# Altium PCB PCB2.PcbDoc (part 9 of 16)
Units mil, origin at the board's own origin, x right, y up, seen from the top; angles counter-clockwise.
Board outline 9200.79 x 4350.6 mil, 4 copper layers (Top Layer, Layer 1, Layer 2, Bottom Layer), stack 23.756 mil thick; 1249 components, 1355 nets, 4549 pads, 1316 vias.
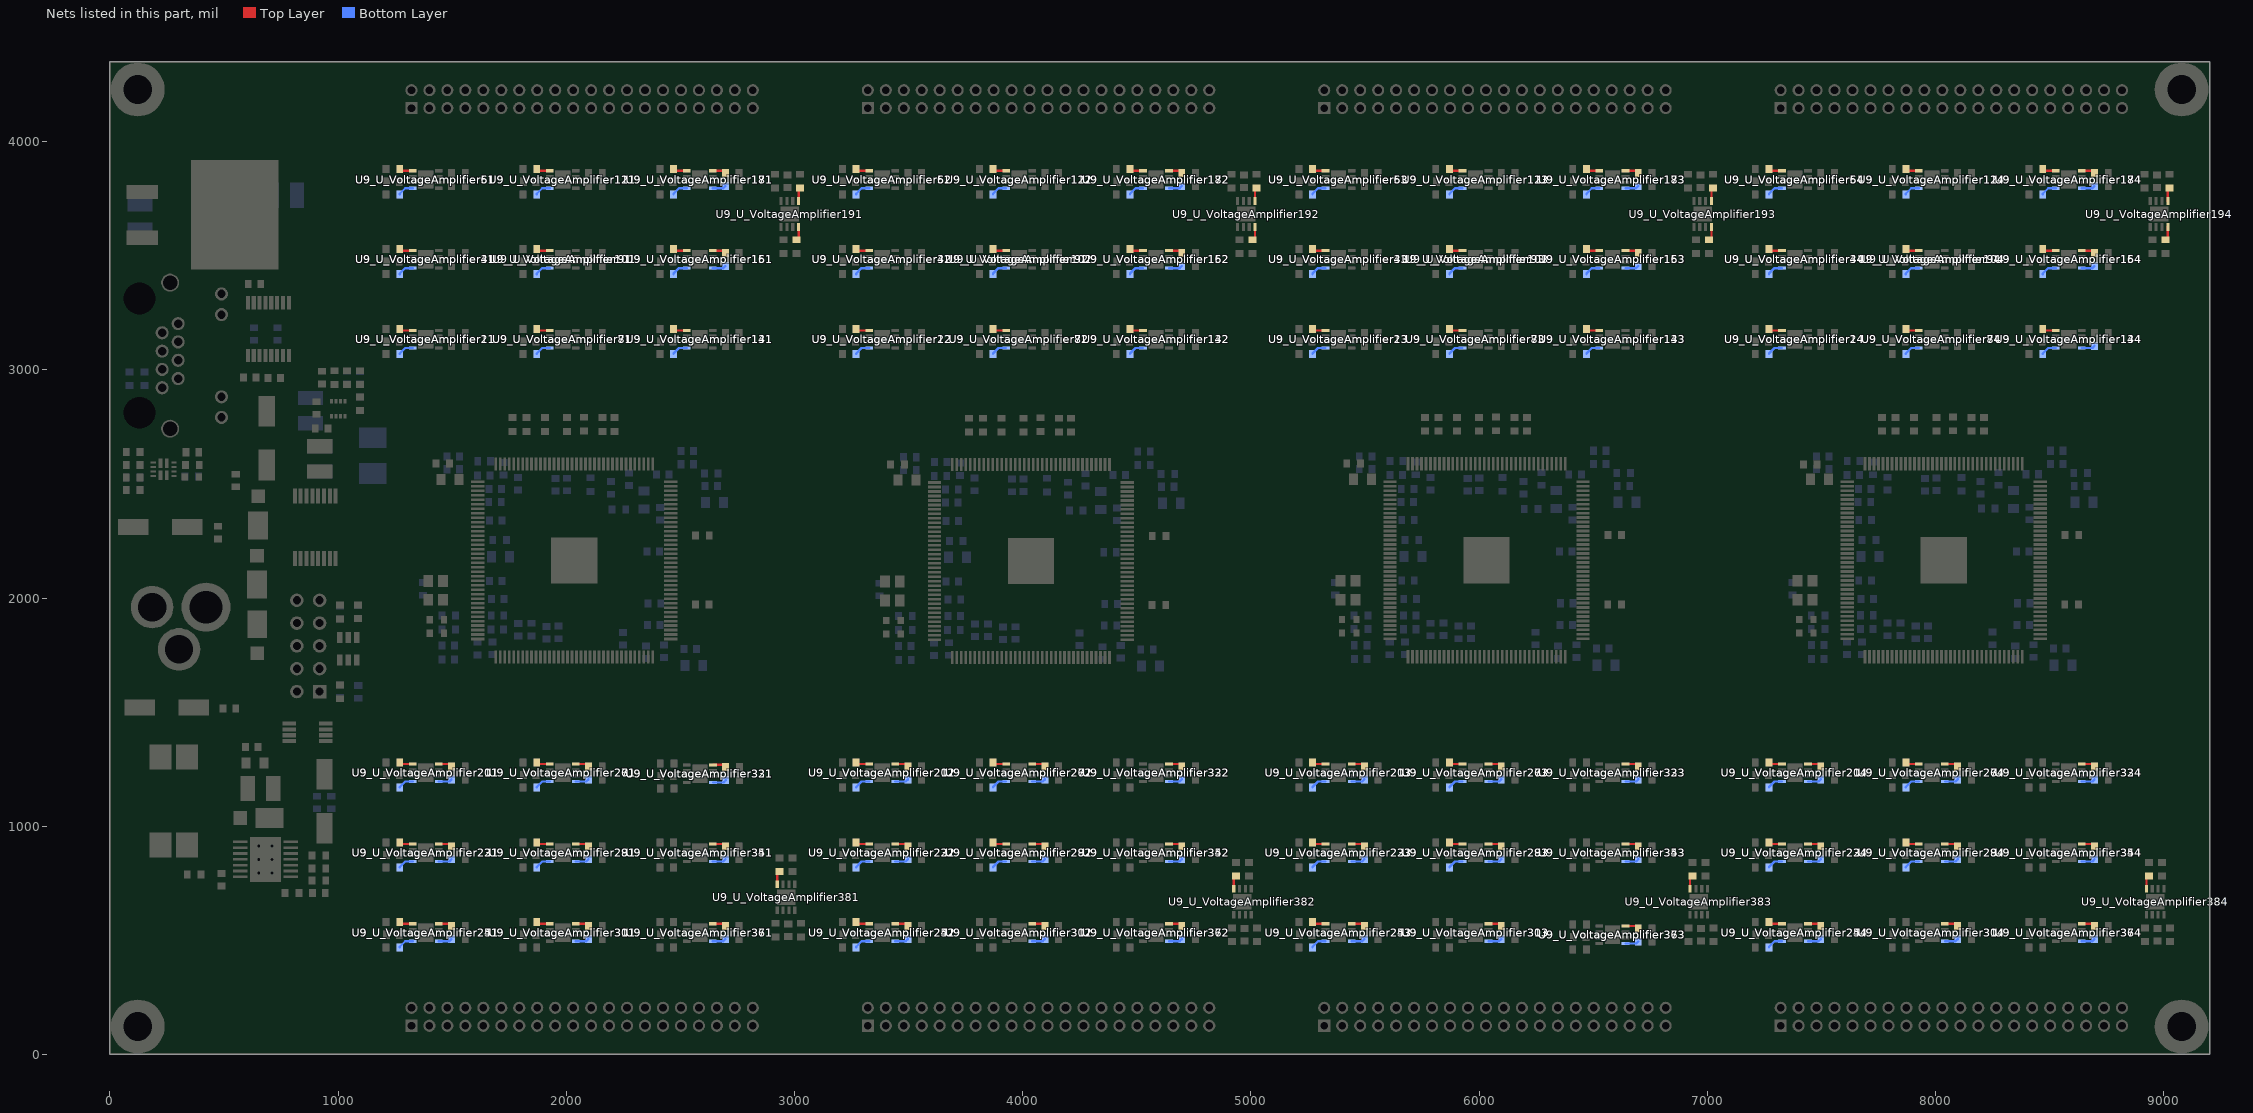
[diagram p11: the nets of this part, all layers, seen from the top]

## Via types
v1: diameter 24, hole 12, Top Layer to Bottom Layer, 1316 vias

## Nets (pads, with @x,y where several pads share a name; then routed paths per layer and width w, separated by ;. In a path a pad name is that pad's centre, name@x,y a point inside that pad or via, vN(x,y) a via of type N, cw(c..) or ccw(c..) an arc to the next point about the centre after c; other vN are vias at no path point) (continued)
NetR28_U_VoltageAmplifier144_2: R28_U_VoltageAmplifier144.2 U9_U_VoltageAmplifier144.4 | length 59.8
  Bottom Layer w10: U9_U_VoltageAmplifier144.4@8641.26,3095.59 8687.5,3095.59 R28_U_VoltageAmplifier144.2@8697.09,3105.18
NetR28_U_VoltageAmplifier151_2: R28_U_VoltageAmplifier151.2 U9_U_VoltageAmplifier151.4 | length 60.2
  Top Layer w10: U9_U_VoltageAmplifier151.4@2641.26,3522.36 2687.09,3522.36 2697.09,3512.36 R28_U_VoltageAmplifier151.2@2697.09,3512.18
NetR28_U_VoltageAmplifier152_2: R28_U_VoltageAmplifier152.2 U9_U_VoltageAmplifier152.4 | length 60.2
  Top Layer w10: U9_U_VoltageAmplifier152.4@4641.26,3522.36 4687.09,3522.36 4697.09,3512.36 R28_U_VoltageAmplifier152.2@4697.09,3512.18
NetR28_U_VoltageAmplifier153_2: R28_U_VoltageAmplifier153.2 U9_U_VoltageAmplifier153.4 | length 60.2
  Top Layer w10: U9_U_VoltageAmplifier153.4@6641.26,3522.36 6687.09,3522.36 6697.09,3512.36 R28_U_VoltageAmplifier153.2@6697.09,3512.18
NetR28_U_VoltageAmplifier154_2: R28_U_VoltageAmplifier154.2 U9_U_VoltageAmplifier154.4 | length 60.2
  Top Layer w10: U9_U_VoltageAmplifier154.4@8641.26,3522.36 8687.09,3522.36 8697.09,3512.36 R28_U_VoltageAmplifier154.2@8697.09,3512.18
NetR28_U_VoltageAmplifier161_2: R28_U_VoltageAmplifier161.2 U9_U_VoltageAmplifier161.4 | length 59.8
  Bottom Layer w10: U9_U_VoltageAmplifier161.4@2641.26,3445.59 2687.5,3445.59 R28_U_VoltageAmplifier161.2@2697.09,3455.18
NetR28_U_VoltageAmplifier162_2: R28_U_VoltageAmplifier162.2 U9_U_VoltageAmplifier162.4 | length 59.8
  Bottom Layer w10: U9_U_VoltageAmplifier162.4@4641.26,3445.59 4687.5,3445.59 R28_U_VoltageAmplifier162.2@4697.09,3455.18
NetR28_U_VoltageAmplifier163_2: R28_U_VoltageAmplifier163.2 U9_U_VoltageAmplifier163.4 | length 59.8
  Bottom Layer w10: U9_U_VoltageAmplifier163.4@6641.26,3445.59 6687.5,3445.59 R28_U_VoltageAmplifier163.2@6697.09,3455.18
NetR28_U_VoltageAmplifier164_2: R28_U_VoltageAmplifier164.2 U9_U_VoltageAmplifier164.4 | length 59.8
  Bottom Layer w10: U9_U_VoltageAmplifier164.4@8641.26,3445.59 8687.5,3445.59 R28_U_VoltageAmplifier164.2@8697.09,3455.18
NetR28_U_VoltageAmplifier171_2: R28_U_VoltageAmplifier171.2 U9_U_VoltageAmplifier171.4 | length 60.2
  Top Layer w10: U9_U_VoltageAmplifier171.4@2641.26,3872.36 2687.09,3872.36 2697.09,3862.36 R28_U_VoltageAmplifier171.2@2697.09,3862.18
NetR28_U_VoltageAmplifier172_2: R28_U_VoltageAmplifier172.2 U9_U_VoltageAmplifier172.4 | length 60.2
  Top Layer w10: U9_U_VoltageAmplifier172.4@4641.26,3872.36 4687.09,3872.36 4697.09,3862.36 R28_U_VoltageAmplifier172.2@4697.09,3862.18
NetR28_U_VoltageAmplifier173_2: R28_U_VoltageAmplifier173.2 U9_U_VoltageAmplifier173.4 | length 60.2
  Top Layer w10: U9_U_VoltageAmplifier173.4@6641.26,3872.36 6687.09,3872.36 6697.09,3862.36 R28_U_VoltageAmplifier173.2@6697.09,3862.18
NetR28_U_VoltageAmplifier174_2: R28_U_VoltageAmplifier174.2 U9_U_VoltageAmplifier174.4 | length 60.2
  Top Layer w10: U9_U_VoltageAmplifier174.4@8641.26,3872.36 8687.09,3872.36 8697.09,3862.36 R28_U_VoltageAmplifier174.2@8697.09,3862.18
NetR28_U_VoltageAmplifier181_2: R28_U_VoltageAmplifier181.2 U9_U_VoltageAmplifier181.4 | length 59.8
  Bottom Layer w10: U9_U_VoltageAmplifier181.4@2641.26,3795.59 2687.5,3795.59 R28_U_VoltageAmplifier181.2@2697.09,3805.18
NetR28_U_VoltageAmplifier182_2: R28_U_VoltageAmplifier182.2 U9_U_VoltageAmplifier182.4 | length 59.8
  Bottom Layer w10: U9_U_VoltageAmplifier182.4@4641.26,3795.59 4687.5,3795.59 R28_U_VoltageAmplifier182.2@4697.09,3805.18
NetR28_U_VoltageAmplifier183_2: R28_U_VoltageAmplifier183.2 U9_U_VoltageAmplifier183.4 | length 59.8
  Bottom Layer w10: U9_U_VoltageAmplifier183.4@6641.26,3795.59 6687.5,3795.59 R28_U_VoltageAmplifier183.2@6697.09,3805.18
NetR28_U_VoltageAmplifier184_2: R28_U_VoltageAmplifier184.2 U9_U_VoltageAmplifier184.4 | length 59.8
  Bottom Layer w10: U9_U_VoltageAmplifier184.4@8641.26,3795.59 8687.5,3795.59 R28_U_VoltageAmplifier184.2@8697.09,3805.18
NetR28_U_VoltageAmplifier191_2: R28_U_VoltageAmplifier191.2 U9_U_VoltageAmplifier191.4 | length 60.2
  Top Layer w10: R28_U_VoltageAmplifier191.2@3007.85,3569.76 3008.03,3569.76 3018.03,3579.76 U9_U_VoltageAmplifier191.4@3018.03,3625.59
NetR28_U_VoltageAmplifier192_2: R28_U_VoltageAmplifier192.2 U9_U_VoltageAmplifier192.4 | length 60.2
  Top Layer w10: R28_U_VoltageAmplifier192.2@5007.85,3569.76 5008.03,3569.76 5018.03,3579.76 U9_U_VoltageAmplifier192.4@5018.03,3625.59
NetR28_U_VoltageAmplifier193_2: R28_U_VoltageAmplifier193.2 U9_U_VoltageAmplifier193.4 | length 60.2
  Top Layer w10: R28_U_VoltageAmplifier193.2@7007.85,3569.76 7008.03,3569.76 7018.03,3579.76 U9_U_VoltageAmplifier193.4@7018.03,3625.59
NetR28_U_VoltageAmplifier194_2: R28_U_VoltageAmplifier194.2 U9_U_VoltageAmplifier194.4 | length 60.2
  Top Layer w10: R28_U_VoltageAmplifier194.2@9007.85,3569.76 9008.03,3569.76 9018.03,3579.76 U9_U_VoltageAmplifier194.4@9018.03,3625.59
NetR28_U_VoltageAmplifier201_2: R28_U_VoltageAmplifier201.2 U9_U_VoltageAmplifier201.4 | length 60.2
  Top Layer w10: U9_U_VoltageAmplifier201.4@1441.26,1272.36 1487.09,1272.36 1497.09,1262.36 R28_U_VoltageAmplifier201.2@1497.09,1262.18
NetR28_U_VoltageAmplifier202_2: R28_U_VoltageAmplifier202.2 U9_U_VoltageAmplifier202.4 | length 60.2
  Top Layer w10: U9_U_VoltageAmplifier202.4@3441.26,1272.36 3487.09,1272.36 3497.09,1262.36 R28_U_VoltageAmplifier202.2@3497.09,1262.18
NetR28_U_VoltageAmplifier203_2: R28_U_VoltageAmplifier203.2 U9_U_VoltageAmplifier203.4 | length 60.2
  Top Layer w10: U9_U_VoltageAmplifier203.4@5441.26,1272.36 5487.09,1272.36 5497.09,1262.36 R28_U_VoltageAmplifier203.2@5497.09,1262.18
NetR28_U_VoltageAmplifier204_2: R28_U_VoltageAmplifier204.2 U9_U_VoltageAmplifier204.4 | length 60.2
  Top Layer w10: U9_U_VoltageAmplifier204.4@7441.26,1272.36 7487.09,1272.36 7497.09,1262.36 R28_U_VoltageAmplifier204.2@7497.09,1262.18
NetR28_U_VoltageAmplifier211_2: R28_U_VoltageAmplifier211.2 U9_U_VoltageAmplifier211.4 | length 59.8
  Bottom Layer w10: U9_U_VoltageAmplifier211.4@1441.26,1195.59 1487.5,1195.59 R28_U_VoltageAmplifier211.2@1497.09,1205.18
NetR28_U_VoltageAmplifier212_2: R28_U_VoltageAmplifier212.2 U9_U_VoltageAmplifier212.4 | length 59.8
  Bottom Layer w10: U9_U_VoltageAmplifier212.4@3441.26,1195.59 3487.5,1195.59 R28_U_VoltageAmplifier212.2@3497.09,1205.18
NetR28_U_VoltageAmplifier213_2: R28_U_VoltageAmplifier213.2 U9_U_VoltageAmplifier213.4 | length 59.8
  Bottom Layer w10: U9_U_VoltageAmplifier213.4@5441.26,1195.59 5487.5,1195.59 R28_U_VoltageAmplifier213.2@5497.09,1205.18
NetR28_U_VoltageAmplifier214_2: R28_U_VoltageAmplifier214.2 U9_U_VoltageAmplifier214.4 | length 59.8
  Bottom Layer w10: U9_U_VoltageAmplifier214.4@7441.26,1195.59 7487.5,1195.59 R28_U_VoltageAmplifier214.2@7497.09,1205.18
NetR28_U_VoltageAmplifier221_2: R28_U_VoltageAmplifier221.2 U9_U_VoltageAmplifier221.4 | length 60.2
  Top Layer w10: U9_U_VoltageAmplifier221.4@1441.26,922.36 1487.09,922.36 1497.09,912.36 R28_U_VoltageAmplifier221.2@1497.09,912.18
NetR28_U_VoltageAmplifier222_2: R28_U_VoltageAmplifier222.2 U9_U_VoltageAmplifier222.4 | length 60.2
  Top Layer w10: U9_U_VoltageAmplifier222.4@3441.26,922.36 3487.09,922.36 3497.09,912.36 R28_U_VoltageAmplifier222.2@3497.09,912.18
NetR28_U_VoltageAmplifier223_2: R28_U_VoltageAmplifier223.2 U9_U_VoltageAmplifier223.4 | length 60.2
  Top Layer w10: U9_U_VoltageAmplifier223.4@5441.26,922.36 5487.09,922.36 5497.09,912.36 R28_U_VoltageAmplifier223.2@5497.09,912.18
NetR28_U_VoltageAmplifier224_2: R28_U_VoltageAmplifier224.2 U9_U_VoltageAmplifier224.4 | length 60.2
  Top Layer w10: U9_U_VoltageAmplifier224.4@7441.26,922.36 7487.09,922.36 7497.09,912.36 R28_U_VoltageAmplifier224.2@7497.09,912.18
NetR28_U_VoltageAmplifier231_2: R28_U_VoltageAmplifier231.2 U9_U_VoltageAmplifier231.4 | length 59.8
  Bottom Layer w10: U9_U_VoltageAmplifier231.4@1441.26,845.59 1487.5,845.59 R28_U_VoltageAmplifier231.2@1497.09,855.18
NetR28_U_VoltageAmplifier232_2: R28_U_VoltageAmplifier232.2 U9_U_VoltageAmplifier232.4 | length 59.8
  Bottom Layer w10: U9_U_VoltageAmplifier232.4@3441.26,845.59 3487.5,845.59 R28_U_VoltageAmplifier232.2@3497.09,855.18
NetR28_U_VoltageAmplifier233_2: R28_U_VoltageAmplifier233.2 U9_U_VoltageAmplifier233.4 | length 59.8
  Bottom Layer w10: U9_U_VoltageAmplifier233.4@5441.26,845.59 5487.5,845.59 R28_U_VoltageAmplifier233.2@5497.09,855.18
NetR28_U_VoltageAmplifier234_2: R28_U_VoltageAmplifier234.2 U9_U_VoltageAmplifier234.4 | length 59.8
  Bottom Layer w10: U9_U_VoltageAmplifier234.4@7441.26,845.59 7487.5,845.59 R28_U_VoltageAmplifier234.2@7497.09,855.18
NetR28_U_VoltageAmplifier241_2: R28_U_VoltageAmplifier241.2 U9_U_VoltageAmplifier241.4 | length 60.2
  Top Layer w10: U9_U_VoltageAmplifier241.4@1441.26,572.36 1487.09,572.36 1497.09,562.36 R28_U_VoltageAmplifier241.2@1497.09,562.18
NetR28_U_VoltageAmplifier242_2: R28_U_VoltageAmplifier242.2 U9_U_VoltageAmplifier242.4 | length 60.2
  Top Layer w10: U9_U_VoltageAmplifier242.4@3441.26,572.36 3487.09,572.36 3497.09,562.36 R28_U_VoltageAmplifier242.2@3497.09,562.18
NetR28_U_VoltageAmplifier243_2: R28_U_VoltageAmplifier243.2 U9_U_VoltageAmplifier243.4 | length 60.2
  Top Layer w10: U9_U_VoltageAmplifier243.4@5441.26,572.36 5487.09,572.36 5497.09,562.36 R28_U_VoltageAmplifier243.2@5497.09,562.18
NetR28_U_VoltageAmplifier244_2: R28_U_VoltageAmplifier244.2 U9_U_VoltageAmplifier244.4 | length 60.2
  Top Layer w10: U9_U_VoltageAmplifier244.4@7441.26,572.36 7487.09,572.36 7497.09,562.36 R28_U_VoltageAmplifier244.2@7497.09,562.18
NetR28_U_VoltageAmplifier251_2: R28_U_VoltageAmplifier251.2 U9_U_VoltageAmplifier251.4 | length 59.8
  Bottom Layer w10: U9_U_VoltageAmplifier251.4@1441.26,495.59 1487.5,495.59 R28_U_VoltageAmplifier251.2@1497.09,505.18
NetR28_U_VoltageAmplifier252_2: R28_U_VoltageAmplifier252.2 U9_U_VoltageAmplifier252.4 | length 59.8
  Bottom Layer w10: U9_U_VoltageAmplifier252.4@3441.26,495.59 3487.5,495.59 R28_U_VoltageAmplifier252.2@3497.09,505.18
NetR28_U_VoltageAmplifier253_2: R28_U_VoltageAmplifier253.2 U9_U_VoltageAmplifier253.4 | length 59.8
  Bottom Layer w10: U9_U_VoltageAmplifier253.4@5441.26,495.59 5487.5,495.59 R28_U_VoltageAmplifier253.2@5497.09,505.18
NetR28_U_VoltageAmplifier254_2: R28_U_VoltageAmplifier254.2 U9_U_VoltageAmplifier254.4 | length 59.8
  Bottom Layer w10: U9_U_VoltageAmplifier254.4@7441.26,495.59 7487.5,495.59 R28_U_VoltageAmplifier254.2@7497.09,505.18
NetR28_U_VoltageAmplifier261_2: R28_U_VoltageAmplifier261.2 U9_U_VoltageAmplifier261.4 | length 60.2
  Top Layer w10: U9_U_VoltageAmplifier261.4@2041.26,1272.36 2087.09,1272.36 2097.09,1262.36 R28_U_VoltageAmplifier261.2@2097.09,1262.18
NetR28_U_VoltageAmplifier262_2: R28_U_VoltageAmplifier262.2 U9_U_VoltageAmplifier262.4 | length 60.2
  Top Layer w10: U9_U_VoltageAmplifier262.4@4041.26,1272.36 4087.09,1272.36 4097.09,1262.36 R28_U_VoltageAmplifier262.2@4097.09,1262.18
NetR28_U_VoltageAmplifier263_2: R28_U_VoltageAmplifier263.2 U9_U_VoltageAmplifier263.4 | length 60.2
  Top Layer w10: U9_U_VoltageAmplifier263.4@6041.26,1272.36 6087.09,1272.36 6097.09,1262.36 R28_U_VoltageAmplifier263.2@6097.09,1262.18
NetR28_U_VoltageAmplifier264_2: R28_U_VoltageAmplifier264.2 U9_U_VoltageAmplifier264.4 | length 60.2
  Top Layer w10: U9_U_VoltageAmplifier264.4@8041.26,1272.36 8087.09,1272.36 8097.09,1262.36 R28_U_VoltageAmplifier264.2@8097.09,1262.18
NetR28_U_VoltageAmplifier271_2: R28_U_VoltageAmplifier271.2 U9_U_VoltageAmplifier271.4 | length 59.8
  Bottom Layer w10: U9_U_VoltageAmplifier271.4@2041.26,1195.59 2087.5,1195.59 R28_U_VoltageAmplifier271.2@2097.09,1205.18
NetR28_U_VoltageAmplifier272_2: R28_U_VoltageAmplifier272.2 U9_U_VoltageAmplifier272.4 | length 59.8
  Bottom Layer w10: U9_U_VoltageAmplifier272.4@4041.26,1195.59 4087.5,1195.59 R28_U_VoltageAmplifier272.2@4097.09,1205.18
NetR28_U_VoltageAmplifier273_2: R28_U_VoltageAmplifier273.2 U9_U_VoltageAmplifier273.4 | length 59.8
  Bottom Layer w10: U9_U_VoltageAmplifier273.4@6041.26,1195.59 6087.5,1195.59 R28_U_VoltageAmplifier273.2@6097.09,1205.18
NetR28_U_VoltageAmplifier274_2: R28_U_VoltageAmplifier274.2 U9_U_VoltageAmplifier274.4 | length 59.8
  Bottom Layer w10: U9_U_VoltageAmplifier274.4@8041.26,1195.59 8087.5,1195.59 R28_U_VoltageAmplifier274.2@8097.09,1205.18
NetR28_U_VoltageAmplifier281_2: R28_U_VoltageAmplifier281.2 U9_U_VoltageAmplifier281.4 | length 60.2
  Top Layer w10: U9_U_VoltageAmplifier281.4@2041.26,922.36 2087.09,922.36 2097.09,912.36 R28_U_VoltageAmplifier281.2@2097.09,912.18
NetR28_U_VoltageAmplifier282_2: R28_U_VoltageAmplifier282.2 U9_U_VoltageAmplifier282.4 | length 60.2
  Top Layer w10: U9_U_VoltageAmplifier282.4@4041.26,922.36 4087.09,922.36 4097.09,912.36 R28_U_VoltageAmplifier282.2@4097.09,912.18
NetR28_U_VoltageAmplifier283_2: R28_U_VoltageAmplifier283.2 U9_U_VoltageAmplifier283.4 | length 60.2
  Top Layer w10: U9_U_VoltageAmplifier283.4@6041.26,922.36 6087.09,922.36 6097.09,912.36 R28_U_VoltageAmplifier283.2@6097.09,912.18
NetR28_U_VoltageAmplifier284_2: R28_U_VoltageAmplifier284.2 U9_U_VoltageAmplifier284.4 | length 60.2
  Top Layer w10: U9_U_VoltageAmplifier284.4@8041.26,922.36 8087.09,922.36 8097.09,912.36 R28_U_VoltageAmplifier284.2@8097.09,912.18
NetR28_U_VoltageAmplifier291_2: R28_U_VoltageAmplifier291.2 U9_U_VoltageAmplifier291.4 | length 59.8
  Bottom Layer w10: U9_U_VoltageAmplifier291.4@2041.26,845.59 2087.5,845.59 R28_U_VoltageAmplifier291.2@2097.09,855.18
NetR28_U_VoltageAmplifier292_2: R28_U_VoltageAmplifier292.2 U9_U_VoltageAmplifier292.4 | length 59.8
  Bottom Layer w10: U9_U_VoltageAmplifier292.4@4041.26,845.59 4087.5,845.59 R28_U_VoltageAmplifier292.2@4097.09,855.18
NetR28_U_VoltageAmplifier293_2: R28_U_VoltageAmplifier293.2 U9_U_VoltageAmplifier293.4 | length 59.8
  Bottom Layer w10: U9_U_VoltageAmplifier293.4@6041.26,845.59 6087.5,845.59 R28_U_VoltageAmplifier293.2@6097.09,855.18
NetR28_U_VoltageAmplifier294_2: R28_U_VoltageAmplifier294.2 U9_U_VoltageAmplifier294.4 | length 59.8
  Bottom Layer w10: U9_U_VoltageAmplifier294.4@8041.26,845.59 8087.5,845.59 R28_U_VoltageAmplifier294.2@8097.09,855.18
NetR28_U_VoltageAmplifier301_2: R28_U_VoltageAmplifier301.2 U9_U_VoltageAmplifier301.4 | length 60.2
  Top Layer w10: U9_U_VoltageAmplifier301.4@2041.26,572.36 2087.09,572.36 2097.09,562.36 R28_U_VoltageAmplifier301.2@2097.09,562.18
NetR28_U_VoltageAmplifier302_2: R28_U_VoltageAmplifier302.2 U9_U_VoltageAmplifier302.4 | length 60.2
  Top Layer w10: U9_U_VoltageAmplifier302.4@4041.26,572.36 4087.09,572.36 4097.09,562.36 R28_U_VoltageAmplifier302.2@4097.09,562.18
NetR28_U_VoltageAmplifier303_2: R28_U_VoltageAmplifier303.2 U9_U_VoltageAmplifier303.4 | length 60.2
  Top Layer w10: U9_U_VoltageAmplifier303.4@6041.26,572.36 6087.09,572.36 6097.09,562.36 R28_U_VoltageAmplifier303.2@6097.09,562.18
NetR28_U_VoltageAmplifier304_2: R28_U_VoltageAmplifier304.2 U9_U_VoltageAmplifier304.4 | length 60.2
  Top Layer w10: U9_U_VoltageAmplifier304.4@8041.26,572.36 8087.09,572.36 8097.09,562.36 R28_U_VoltageAmplifier304.2@8097.09,562.18
NetR28_U_VoltageAmplifier311_2: R28_U_VoltageAmplifier311.2 U9_U_VoltageAmplifier311.4 | length 59.8
  Bottom Layer w10: U9_U_VoltageAmplifier311.4@2041.26,495.59 2087.5,495.59 R28_U_VoltageAmplifier311.2@2097.09,505.18
NetR28_U_VoltageAmplifier312_2: R28_U_VoltageAmplifier312.2 U9_U_VoltageAmplifier312.4 | length 59.8
  Bottom Layer w10: U9_U_VoltageAmplifier312.4@4041.26,495.59 4087.5,495.59 R28_U_VoltageAmplifier312.2@4097.09,505.18
NetR28_U_VoltageAmplifier313_2: R28_U_VoltageAmplifier313.2 U9_U_VoltageAmplifier313.4 | length 59.8
  Bottom Layer w10: U9_U_VoltageAmplifier313.4@6041.26,495.59 6087.5,495.59 R28_U_VoltageAmplifier313.2@6097.09,505.18
NetR28_U_VoltageAmplifier314_2: R28_U_VoltageAmplifier314.2 U9_U_VoltageAmplifier314.4 | length 59.8
  Bottom Layer w10: U9_U_VoltageAmplifier314.4@8041.26,495.59 8087.5,495.59 R28_U_VoltageAmplifier314.2@8097.09,505.18
NetR28_U_VoltageAmplifier321_2: R28_U_VoltageAmplifier321.2 U9_U_VoltageAmplifier321.4 | length 60.2
  Top Layer w10: U9_U_VoltageAmplifier321.4@2642.43,1268.77 2688.26,1268.77 2698.26,1258.77 R28_U_VoltageAmplifier321.2@2698.26,1258.59
NetR28_U_VoltageAmplifier322_2: R28_U_VoltageAmplifier322.2 U9_U_VoltageAmplifier322.4 | length 60.2
  Top Layer w10: U9_U_VoltageAmplifier322.4@4641.26,1272.36 4687.09,1272.36 4697.09,1262.36 R28_U_VoltageAmplifier322.2@4697.09,1262.18
NetR28_U_VoltageAmplifier323_2: R28_U_VoltageAmplifier323.2 U9_U_VoltageAmplifier323.4 | length 60.2
  Top Layer w10: U9_U_VoltageAmplifier323.4@6641.26,1272.36 6687.09,1272.36 6697.09,1262.36 R28_U_VoltageAmplifier323.2@6697.09,1262.18
NetR28_U_VoltageAmplifier324_2: R28_U_VoltageAmplifier324.2 U9_U_VoltageAmplifier324.4 | length 60.2
  Top Layer w10: U9_U_VoltageAmplifier324.4@8641.26,1272.36 8687.09,1272.36 8697.09,1262.36 R28_U_VoltageAmplifier324.2@8697.09,1262.18
NetR28_U_VoltageAmplifier331_2: R28_U_VoltageAmplifier331.2 U9_U_VoltageAmplifier331.4 | length 59.8
  Bottom Layer w10: U9_U_VoltageAmplifier331.4@2642.43,1192 2688.67,1192 R28_U_VoltageAmplifier331.2@2698.26,1201.59
NetR28_U_VoltageAmplifier332_2: R28_U_VoltageAmplifier332.2 U9_U_VoltageAmplifier332.4 | length 59.8
  Bottom Layer w10: U9_U_VoltageAmplifier332.4@4641.26,1195.59 4687.5,1195.59 R28_U_VoltageAmplifier332.2@4697.09,1205.18
NetR28_U_VoltageAmplifier333_2: R28_U_VoltageAmplifier333.2 U9_U_VoltageAmplifier333.4 | length 59.8
  Bottom Layer w10: U9_U_VoltageAmplifier333.4@6641.26,1195.59 6687.5,1195.59 R28_U_VoltageAmplifier333.2@6697.09,1205.18
NetR28_U_VoltageAmplifier334_2: R28_U_VoltageAmplifier334.2 U9_U_VoltageAmplifier334.4 | length 59.8
  Bottom Layer w10: U9_U_VoltageAmplifier334.4@8641.26,1195.59 8687.5,1195.59 R28_U_VoltageAmplifier334.2@8697.09,1205.18
NetR28_U_VoltageAmplifier341_2: R28_U_VoltageAmplifier341.2 U9_U_VoltageAmplifier341.4 | length 60.2
  Top Layer w10: U9_U_VoltageAmplifier341.4@2641.26,922.36 2687.09,922.36 2697.09,912.36 R28_U_VoltageAmplifier341.2@2697.09,912.18
NetR28_U_VoltageAmplifier342_2: R28_U_VoltageAmplifier342.2 U9_U_VoltageAmplifier342.4 | length 60.2
  Top Layer w10: U9_U_VoltageAmplifier342.4@4641.26,922.36 4687.09,922.36 4697.09,912.36 R28_U_VoltageAmplifier342.2@4697.09,912.18
NetR28_U_VoltageAmplifier343_2: R28_U_VoltageAmplifier343.2 U9_U_VoltageAmplifier343.4 | length 60.2
  Top Layer w10: U9_U_VoltageAmplifier343.4@6641.26,922.36 6687.09,922.36 6697.09,912.36 R28_U_VoltageAmplifier343.2@6697.09,912.18
NetR28_U_VoltageAmplifier344_2: R28_U_VoltageAmplifier344.2 U9_U_VoltageAmplifier344.4 | length 60.2
  Top Layer w10: U9_U_VoltageAmplifier344.4@8641.26,922.36 8687.09,922.36 8697.09,912.36 R28_U_VoltageAmplifier344.2@8697.09,912.18
NetR28_U_VoltageAmplifier351_2: R28_U_VoltageAmplifier351.2 U9_U_VoltageAmplifier351.4 | length 59.8
  Bottom Layer w10: U9_U_VoltageAmplifier351.4@2641.26,845.59 2687.5,845.59 R28_U_VoltageAmplifier351.2@2697.09,855.18
NetR28_U_VoltageAmplifier352_2: R28_U_VoltageAmplifier352.2 U9_U_VoltageAmplifier352.4 | length 59.8
  Bottom Layer w10: U9_U_VoltageAmplifier352.4@4641.26,845.59 4687.5,845.59 R28_U_VoltageAmplifier352.2@4697.09,855.18
NetR28_U_VoltageAmplifier353_2: R28_U_VoltageAmplifier353.2 U9_U_VoltageAmplifier353.4 | length 59.8
  Bottom Layer w10: U9_U_VoltageAmplifier353.4@6641.26,845.59 6687.5,845.59 R28_U_VoltageAmplifier353.2@6697.09,855.18
NetR28_U_VoltageAmplifier354_2: R28_U_VoltageAmplifier354.2 U9_U_VoltageAmplifier354.4 | length 59.8
  Bottom Layer w10: U9_U_VoltageAmplifier354.4@8641.26,845.59 8687.5,845.59 R28_U_VoltageAmplifier354.2@8697.09,855.18
NetR28_U_VoltageAmplifier361_2: R28_U_VoltageAmplifier361.2 U9_U_VoltageAmplifier361.4 | length 60.2
  Top Layer w10: U9_U_VoltageAmplifier361.4@2641.26,572.36 2687.09,572.36 2697.09,562.36 R28_U_VoltageAmplifier361.2@2697.09,562.18
NetR28_U_VoltageAmplifier362_2: R28_U_VoltageAmplifier362.2 U9_U_VoltageAmplifier362.4 | length 60.2
  Top Layer w10: U9_U_VoltageAmplifier362.4@4641.26,572.36 4687.09,572.36 4697.09,562.36 R28_U_VoltageAmplifier362.2@4697.09,562.18
NetR28_U_VoltageAmplifier363_2: R28_U_VoltageAmplifier363.2 U9_U_VoltageAmplifier363.4 | length 60.2
  Top Layer w10: U9_U_VoltageAmplifier363.4@6641.26,562.36 6687.09,562.36 6697.09,552.36 R28_U_VoltageAmplifier363.2@6697.09,552.18
NetR28_U_VoltageAmplifier364_2: R28_U_VoltageAmplifier364.2 U9_U_VoltageAmplifier364.4 | length 60.2
  Top Layer w10: U9_U_VoltageAmplifier364.4@8641.26,572.36 8687.09,572.36 8697.09,562.36 R28_U_VoltageAmplifier364.2@8697.09,562.18
NetR28_U_VoltageAmplifier371_2: R28_U_VoltageAmplifier371.2 U9_U_VoltageAmplifier371.4 | length 59.8
  Bottom Layer w10: U9_U_VoltageAmplifier371.4@2641.26,495.59 2687.5,495.59 R28_U_VoltageAmplifier371.2@2697.09,505.18
NetR28_U_VoltageAmplifier372_2: R28_U_VoltageAmplifier372.2 U9_U_VoltageAmplifier372.4 | length 59.8
  Bottom Layer w10: U9_U_VoltageAmplifier372.4@4641.26,495.59 4687.5,495.59 R28_U_VoltageAmplifier372.2@4697.09,505.18
NetR28_U_VoltageAmplifier373_2: R28_U_VoltageAmplifier373.2 U9_U_VoltageAmplifier373.4 | length 59.8
  Bottom Layer w10: U9_U_VoltageAmplifier373.4@6641.26,485.59 6687.5,485.59 R28_U_VoltageAmplifier373.2@6697.09,495.18
NetR28_U_VoltageAmplifier374_2: R28_U_VoltageAmplifier374.2 U9_U_VoltageAmplifier374.4 | length 59.8
  Bottom Layer w10: U9_U_VoltageAmplifier374.4@8641.26,495.59 8687.5,495.59 R28_U_VoltageAmplifier374.2@8697.09,505.18
NetR28_U_VoltageAmplifier381_2: R28_U_VoltageAmplifier381.2 U9_U_VoltageAmplifier381.4 | length 60.2